# Altium PCB Macropad PRO.PcbDoc
Units mm, origin at the board's own origin, x right, y up, seen from the top; angles counter-clockwise.
Board outline 99 x 99 mm, 2 copper layers (Top Layer, Bottom Layer); 51 components, 39 nets, 400 pads, 40 vias.
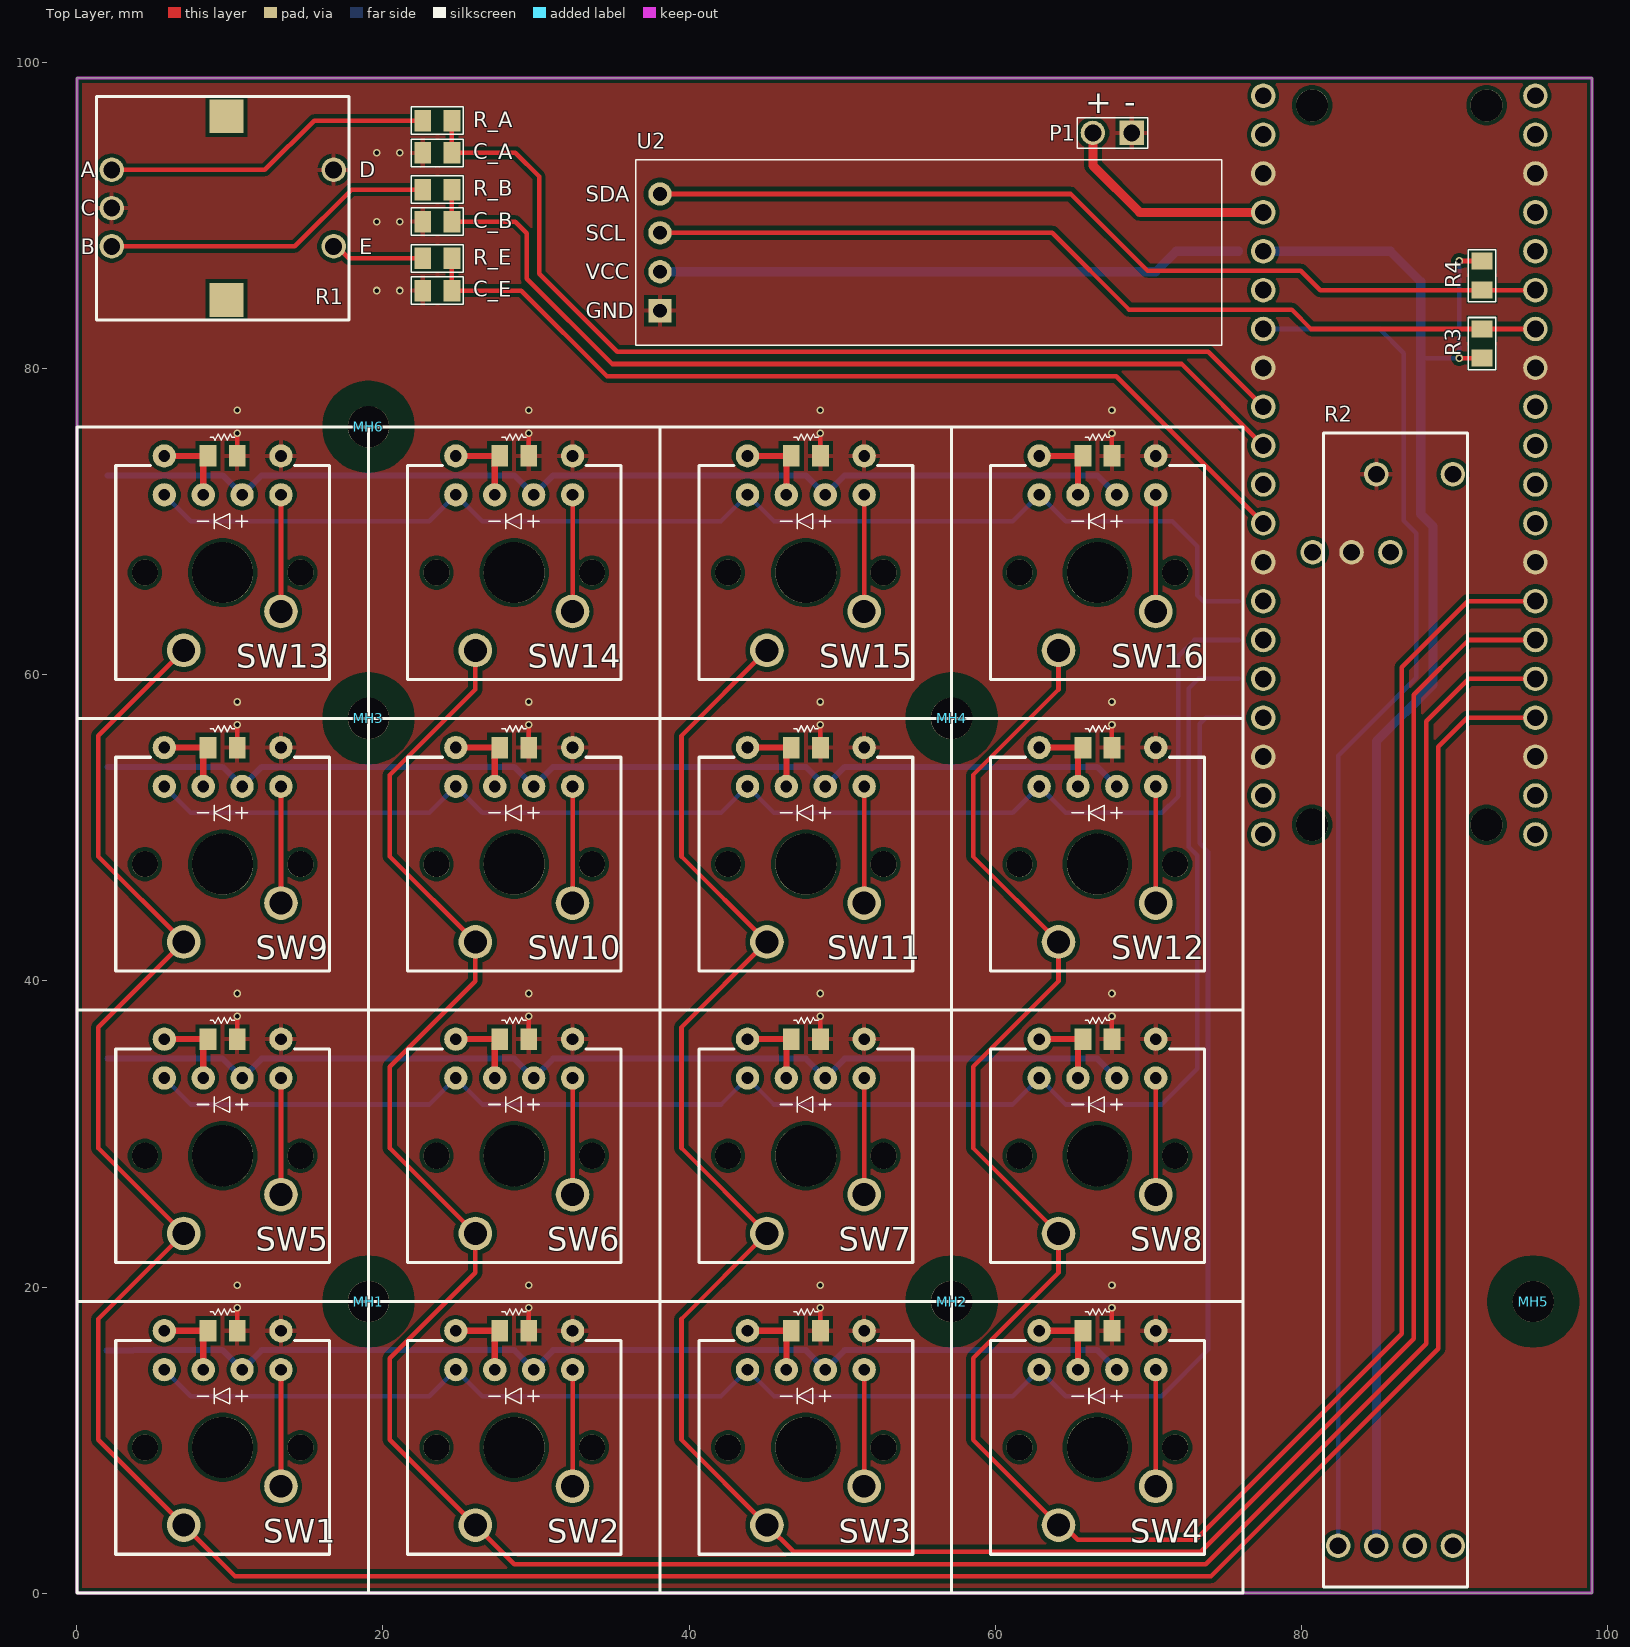
[diagram p0: Top Layer view]
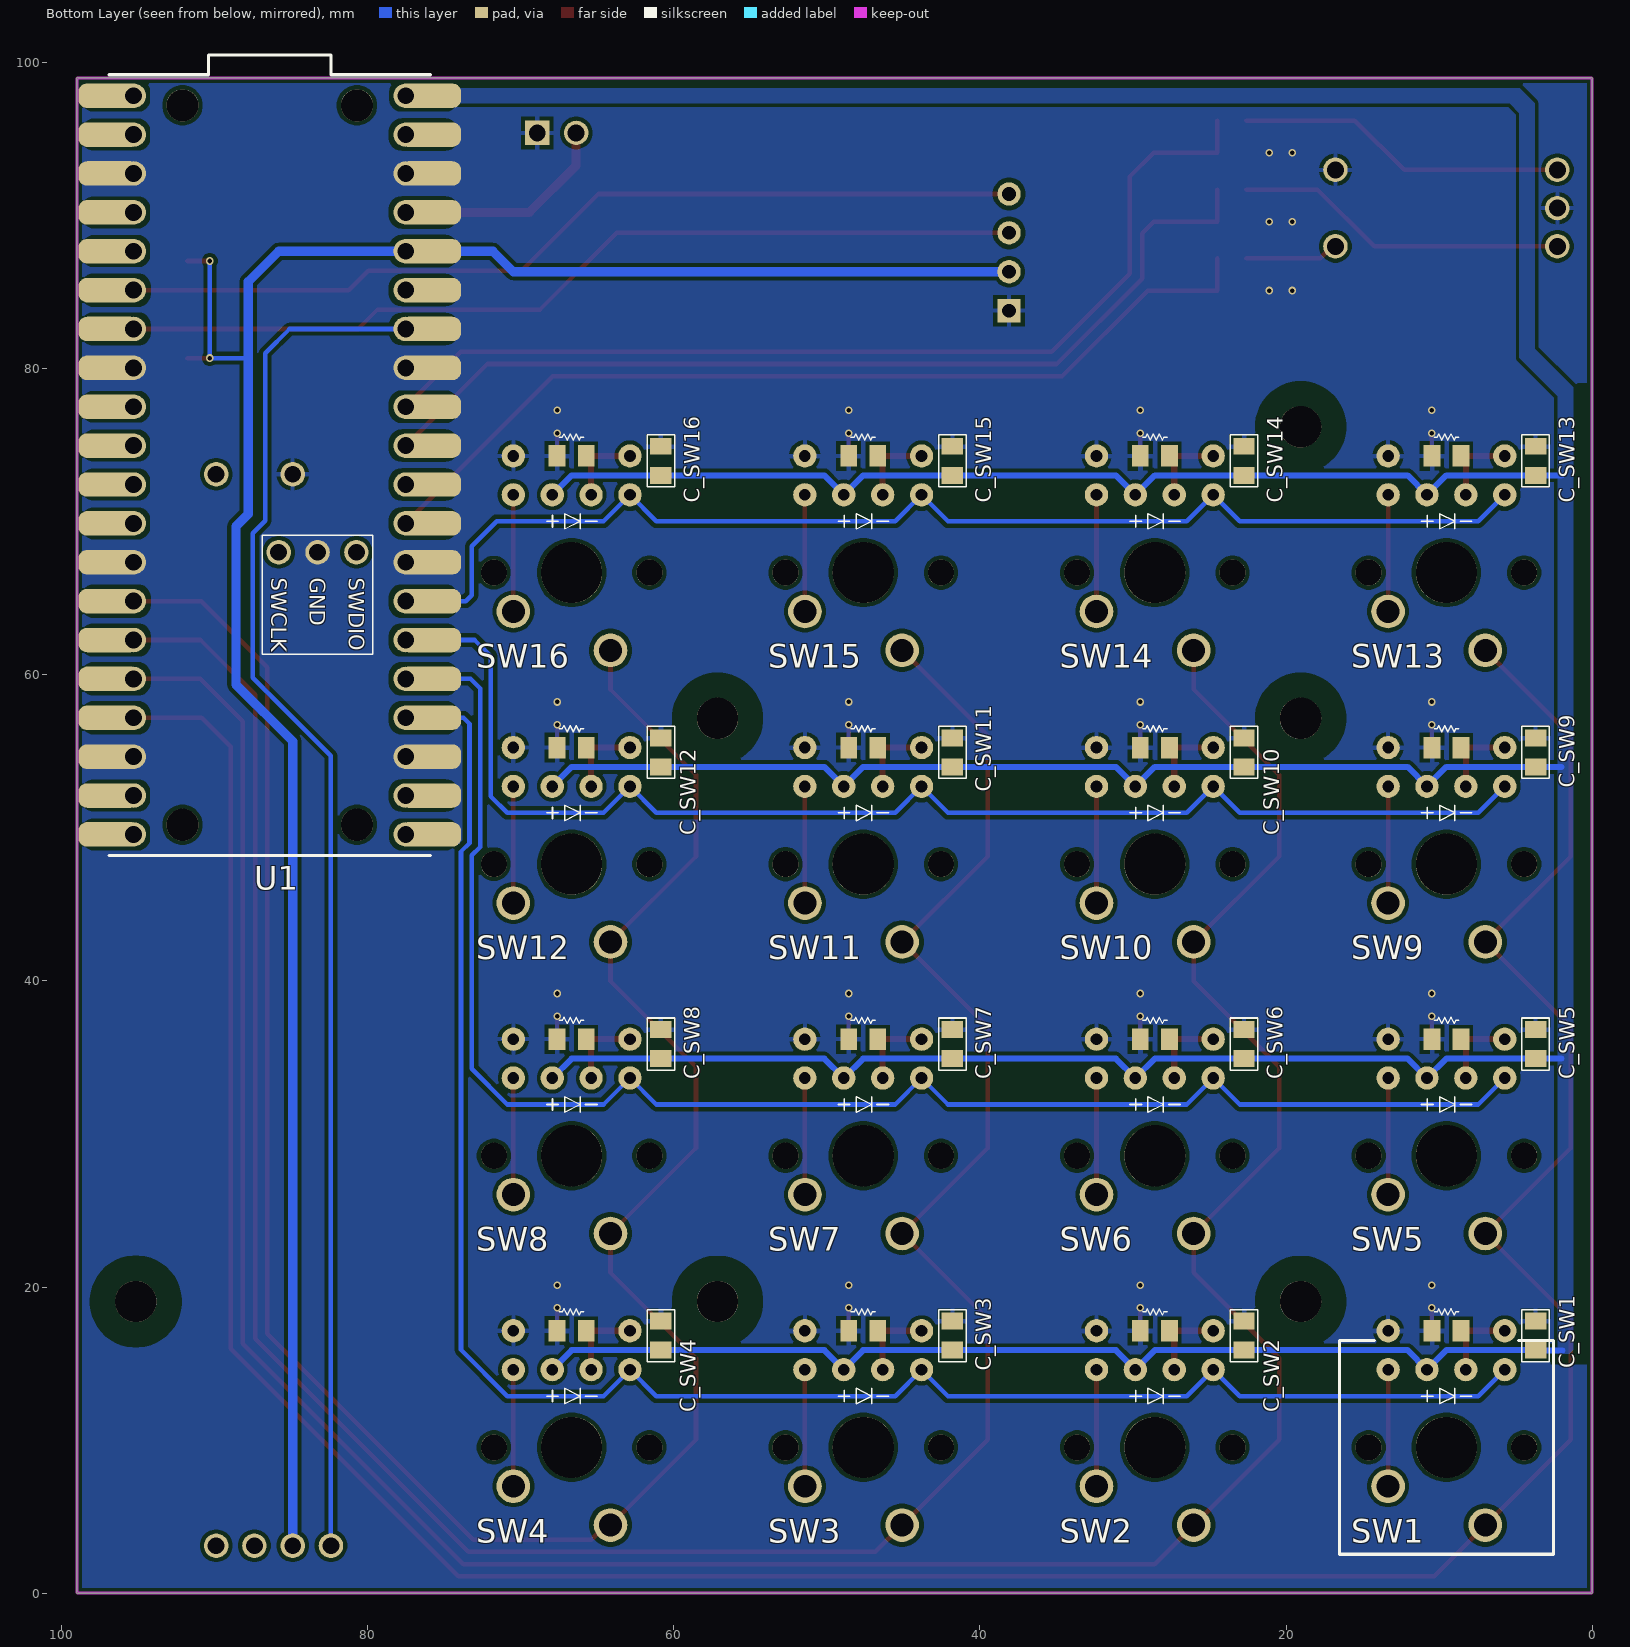
[diagram p1: Bottom Layer view, seen from below]
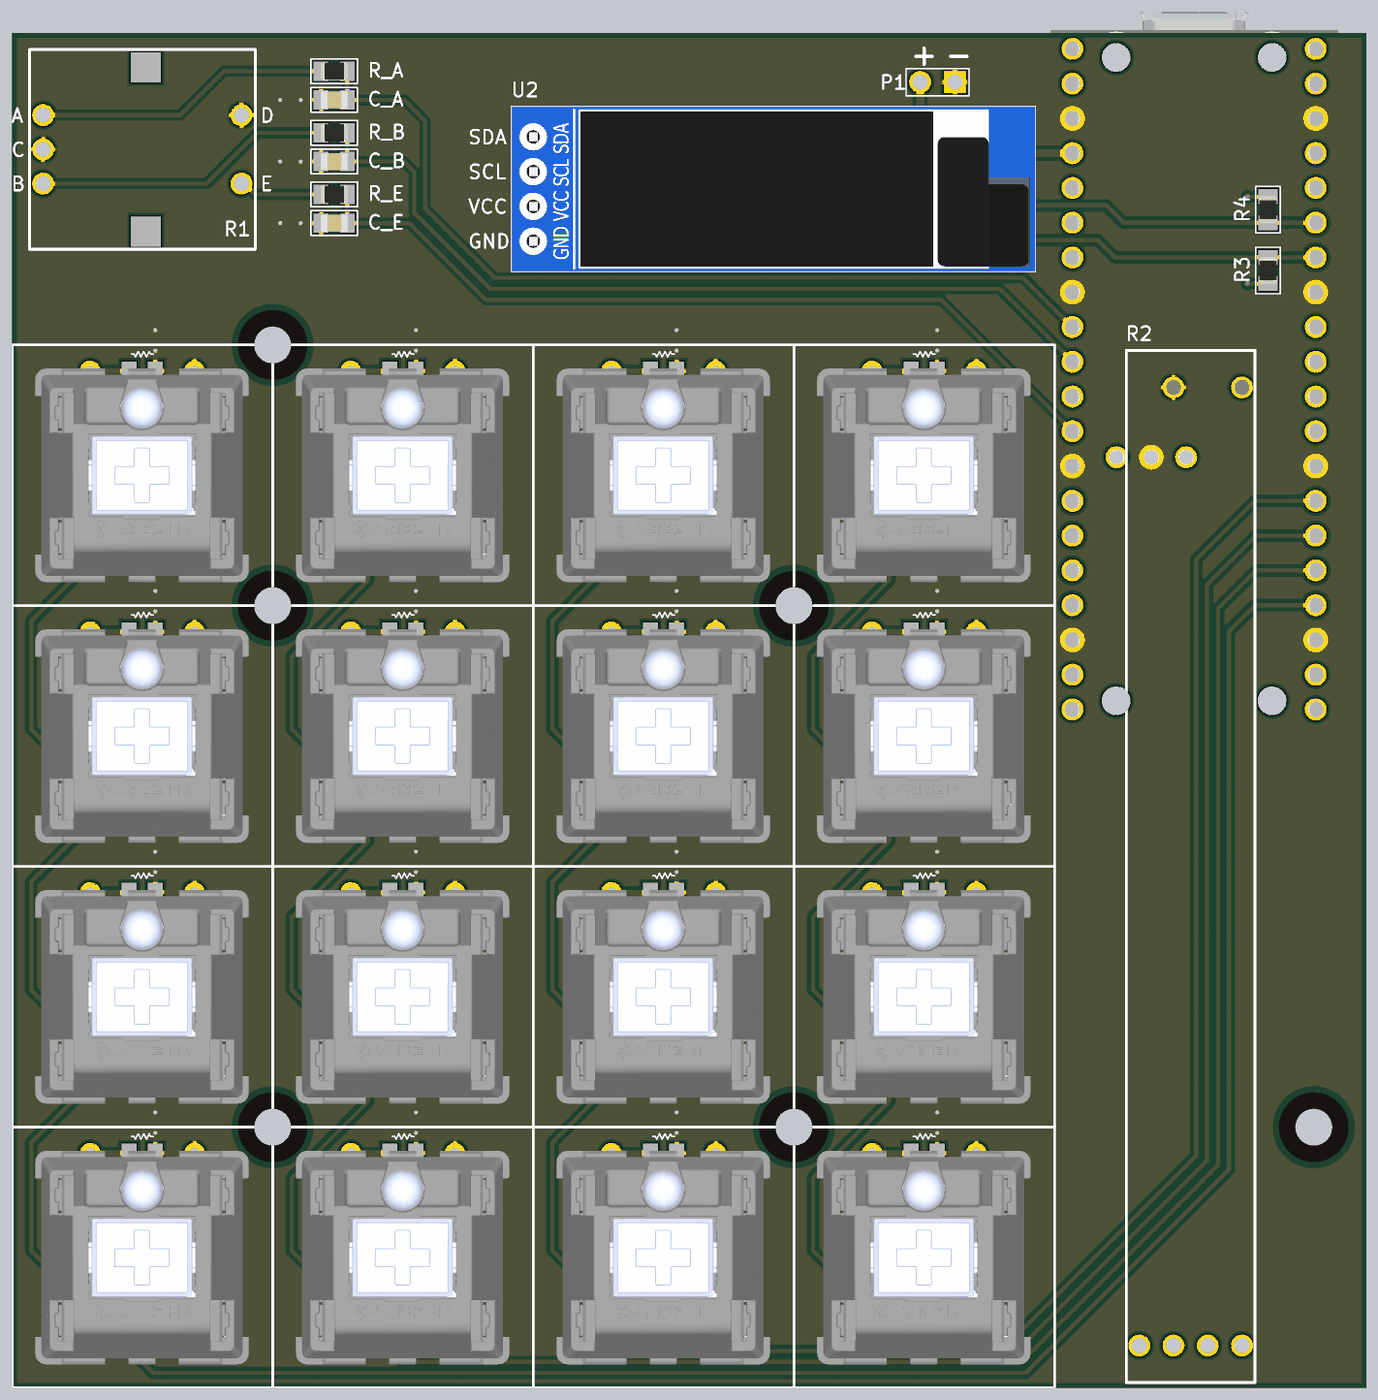
[diagram p2: 3D render of the assembled board from above, using the file's embedded part models]
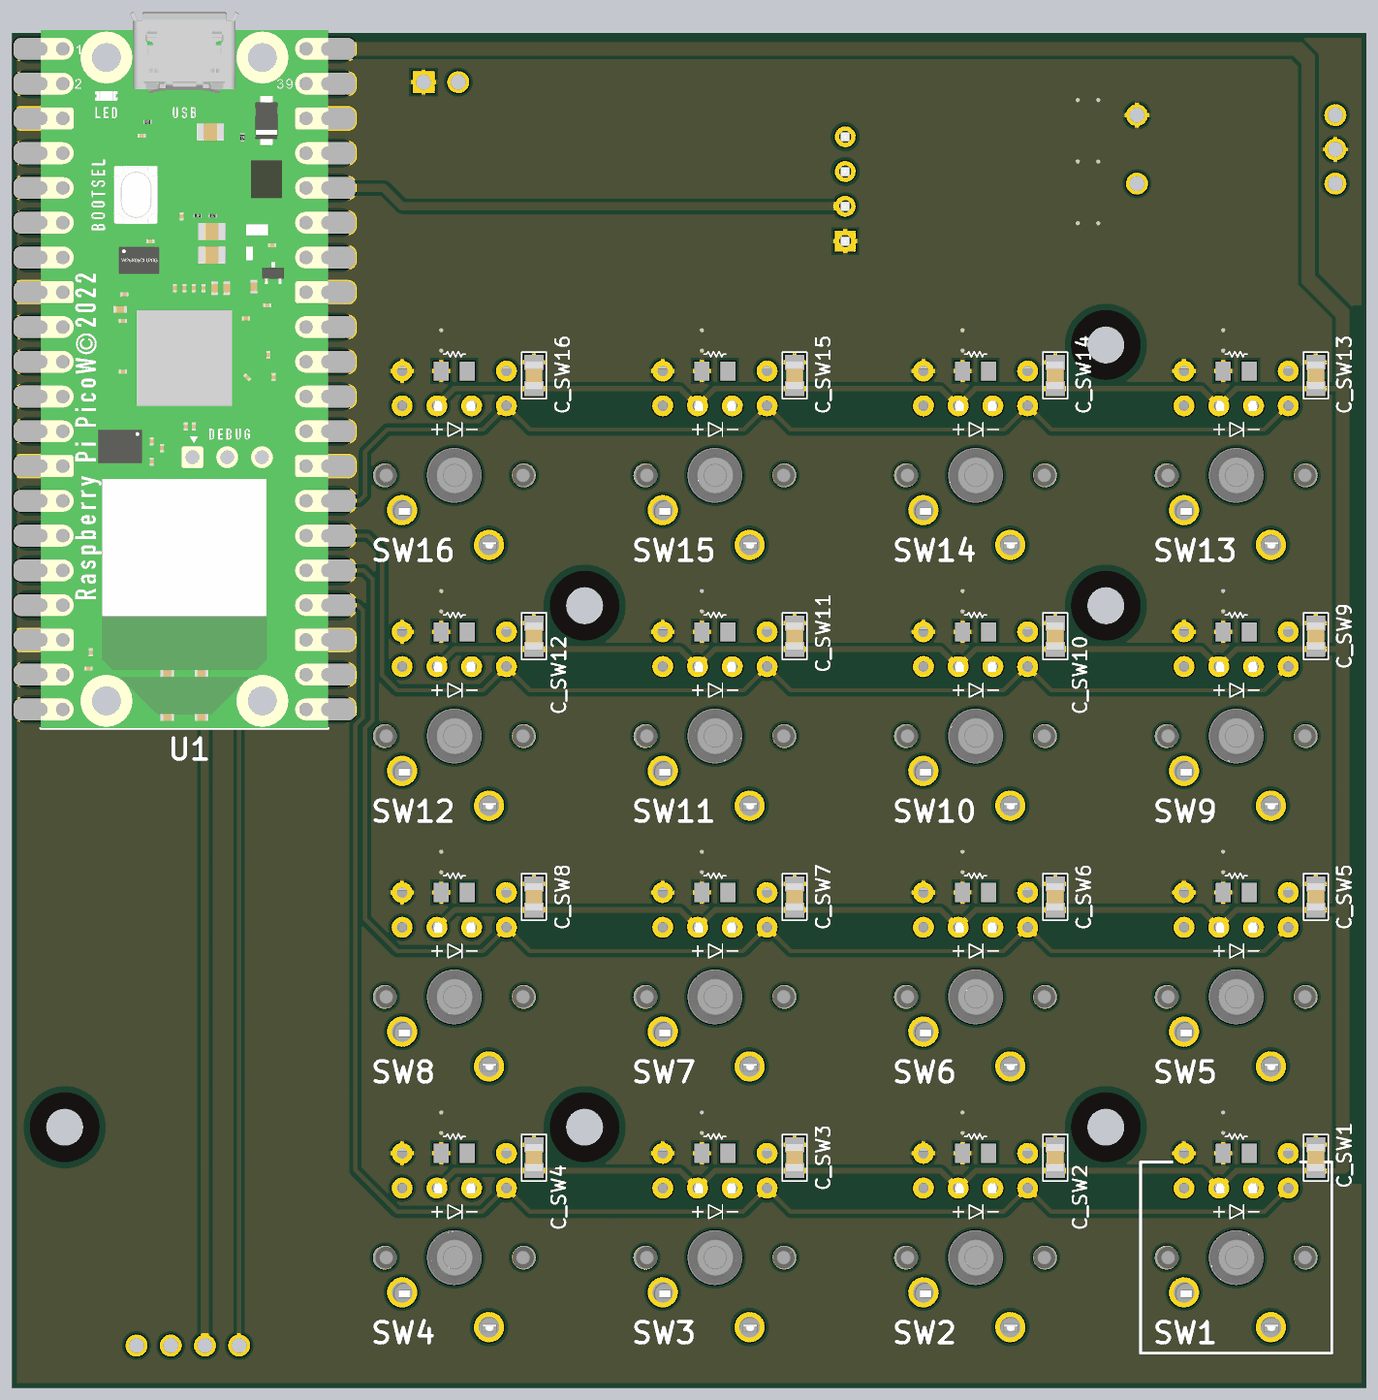
[diagram p3: 3D render of the assembled board from below, using the file's embedded part models]

## Layer stack, top to bottom
Top Solder: solder mask 0.0102, Solder Resist, Dk 3.5
Top Layer: signal copper 0.0356
Dielectric 1: dielectric 0.32, FR-4, Dk 4.8
Bottom Layer: signal copper 0.0356
Bottom Solder: solder mask 0.0102, Solder Resist, Dk 3.5

## Board outline
0,0 0,99 99,99 99,0

## Design rules (kind name [scope] priority, off if disabled: settings)
Clearance Clearance_Poly_VBUS [InNet('VBUS') or InNet('3V3')] p1: gap=0.254 ignorepadtopadclearanceinfootprint=FALSE except(0.4: Arc-Arc Arc-Track Track-Track)
Clearance Clearance_Rows_Colmns [InNetClass('Columns') or InNetClass('Rows') or InNetClass('I2C')] p2: gap=0.3 ignorepadtopadclearanceinfootprint=FALSE
Clearance [All] p3: gap=0.254 ignorepadtopadclearanceinfootprint=FALSE except(0: Arc-Hole Track-Hole SMDPad-Hole THPad-Hole Via-Hole Fill-Hole Poly-Hole Region-Hole Text-Hole)
PolygonConnect PolygonConnect_RP [InComponent('U1')] p1: connectstyle=Direct reliefconductorwidth=0.254 reliefentries=4 polygonreliefangle="90 Angle" airgapwidth=0.254
PolygonConnect [All] p2: thpad.connectstyle=Relief thpad.reliefconductorwidth=0.3 thpad.reliefentries=4 thpad.polygonreliefangle="90 Angle" thpad.airgapwidth=0.254 smdpad.connectstyle=Relief smdpad.reliefconductorwidth=0.3 smdpad.reliefentries=4 smdpad.polygonreliefangle="90 Angle" smdpad.airgapwidth=0.254 via.connectstyle=Direct via.reliefconductorwidth=0.3 via.reliefentries=4 via.polygonreliefangle="90 Angle" via.airgapwidth=0.254
RoutingVias [All] p1: holewidth=0.711 width=1.27 viastyle="Through Hole" minholewidth=0.711 minwidth=1.27 maxholewidth=0.711 maxwidth=1.27
SolderMaskExpansion [All] p1: expansion=0.102 istentingtop=FALSE
Width [All] p1: maxlimit=5 minlimit=0.2 preferedwidth=0.3
30 further rules are at their usual default settings.

## Classes and differential pairs
net class Rows: ROW_1 ROW_2 ROW_3 ROW_4
net class I2C: I2C0_SCL I2C0_SDA
net class Columns: COLUMN_1 COLUMN_2 COLUMN_3 COLUMN_4

## Components (designator, comment, footprint, x,y, rotation, side; value= is the part's Value field where it differs from the comment)
C_A "CAP CER" "CAP 0805" 23.55,94.1 r0 top
C_B "CAP CER" "CAP 0805" 23.55,89.6 r180 top
C_E "CAP CER" "CAP 0805" 23.55,85.1 r180 top
C_SW1 "CAP CER" "CAP 0805" 3.7,16.825 r90 bottom
C_SW2 "CAP CER" "CAP 0805" 22.75,16.825 r90 bottom
C_SW3 "CAP CER" "CAP 0805" 41.8,16.825 r90 bottom
C_SW4 "CAP CER" "CAP 0805" 60.85,16.825 r90 bottom
C_SW5 "CAP CER" "CAP 0805" 3.7,35.875 r90 bottom
C_SW6 "CAP CER" "CAP 0805" 22.75,35.875 r90 bottom
C_SW7 "CAP CER" "CAP 0805" 41.8,35.875 r90 bottom
C_SW8 "CAP CER" "CAP 0805" 60.85,35.875 r90 bottom
C_SW9 "CAP CER" "CAP 0805" 3.7,54.925 r90 bottom
C_SW10 "CAP CER" "CAP 0805" 22.75,54.925 r90 bottom
C_SW11 "CAP CER" "CAP 0805" 41.8,54.925 r90 bottom
C_SW12 "CAP CER" "CAP 0805" 60.85,54.925 r90 bottom
C_SW13 "CAP CER" "CAP 0805" 3.7,73.975 r90 bottom
C_SW14 "CAP CER" "CAP 0805" 22.75,73.975 r90 bottom
C_SW15 "CAP CER" "CAP 0805" 41.8,73.975 r90 bottom
C_SW16 "CAP CER" "CAP 0805" 60.85,73.975 r90 bottom
MH1 "MOUNTING HOLE" "MH 2.7MM" 19.049,19.05 r0 top
MH2 "MOUNTING HOLE" "MH 2.7MM" 57.149,19.05 r0 top
MH3 "MOUNTING HOLE" "MH 2.7MM" 19.049,57.15 r0 top
MH4 "MOUNTING HOLE" "MH 2.7MM" 57.149,57.15 r0 top
MH5 "MOUNTING HOLE" "MH 2.7MM" 95.15,19.05 r0 top
MH6 "MOUNTING HOLE" "MH 2.7MM" 19.049,76.2 r0 top
P1 "2X1 2.54MM HEADER" "HDR 2 PIN 2.54MM" 67.65,95.4 r180 top
R1 "Rotary Encoder" "POT - ROTARY ENCODER" 9.524,90.488 r270 top
R2 "75mm Slide Pot" "POT - SLIDER 75MM" 86.15,38.099 r90 top
R3 "RES CHIP" "RES 0805" 91.8,81.64 r90 top
R4 "RES CHIP" "RES 0805" 91.8,86.08 r270 top
R_A "RES CHIP" "RES 0805" 23.55,96.2 r0 top
R_B "RES CHIP" "RES 0805" 23.55,91.7 r0 top
R_E "RES CHIP" "RES 0805" 23.55,87.2 r180 top
SW1 "Cherry MX Brown" "SW - CHERRY MX 1U" 9.524,9.525 r180 top
SW2 "Cherry MX Brown" "SW - CHERRY MX 1U" 28.574,9.525 r180 top
SW3 "Cherry MX Brown" "SW - CHERRY MX 1U" 47.624,9.525 r180 top
SW4 "Cherry MX Brown" "SW - CHERRY MX 1U" 66.674,9.525 r180 top
SW5 "Cherry MX Brown" "SW - CHERRY MX 1U" 9.524,28.575 r180 top
SW6 "Cherry MX Brown" "SW - CHERRY MX 1U" 28.574,28.575 r180 top
SW7 "Cherry MX Brown" "SW - CHERRY MX 1U" 47.624,28.575 r180 top
SW8 "Cherry MX Brown" "SW - CHERRY MX 1U" 66.674,28.575 r180 top
SW9 "Cherry MX Brown" "SW - CHERRY MX 1U" 9.524,47.625 r180 top
SW10 "Cherry MX Brown" "SW - CHERRY MX 1U" 28.574,47.625 r180 top
SW11 "Cherry MX Brown" "SW - CHERRY MX 1U" 47.624,47.625 r180 top
SW12 "Cherry MX Brown" "SW - CHERRY MX 1U" 66.674,47.625 r180 top
SW13 "Cherry MX Brown" "SW - CHERRY MX 1U" 9.524,66.675 r180 top
SW14 "Cherry MX Brown" "SW - CHERRY MX 1U" 28.574,66.675 r180 top
SW15 "Cherry MX Brown" "SW - CHERRY MX 1U" 47.624,66.675 r180 top
SW16 "Cherry MX Brown" "SW - CHERRY MX 1U" 66.674,66.675 r180 top
U1 "Raspberry Pi Pico W" "MOD - RP PICO W" 86.4,73.7 r270 bottom
U2 "OLED SCREEN" "0.91 OLED" 38.099,87.6 r0 top

## Footprints (in the part's own frame and the unit in brackets; to place one, negate y for a bottom-side part, rotate by r counter-clockwise, add the part's x,y. Pads: shape width x height; smd on the part's side, far side on the other; paste and mask are expansions set on the pad)
"0.91 OLED" [mil]
  rect 60x60 hole 35: 1(0,-150)
  round 60 hole 35: 2(0,-50) 3(0,50) 4(0,150)
  silkscreen extent -63,-239 1445,238, body extent -63,-239 1445,238, height 296
"CAP 0805" [mm]
  rect 1.1x1.4 smd: 1(-0.95,0) 2(0.95,0)
  Top Layer pour cut-out: -0.2,0.9 0.2,0.9 0.2,-0.9 -0.2,-0.9
  silkscreen extent -1.7,-0.9 1.7,0.9, body extent -1,-0.62 1,0.63, height 0.6
"HDR 2 PIN 2.54MM" [mm]
  rect 1.6x1.6 hole 1.1: 1(-1.27,0)
  round 1.6 hole 1.1: 2(1.27,0)
  silkscreen extent -2.3,-1 2.3,1
"MH 2.7MM" [mm]
  round 2.7 hole 2.7 unplated mask+1.2: ""(0,0)
"MOD - RP PICO W" [mm]
  rrect70% 1.6x4 smd: 1(-24.13,-10.5) 2(-21.59,-10.5) 3(-19.05,-10.5) 4(-16.51,-10.5) 5(-13.97,-10.5) 6(-11.43,-10.5) 7(-8.89,-10.5) 8(-6.35,-10.5) 9(-3.81,-10.5) 10(-1.27,-10.5) 11(1.27,-10.5) 12(3.81,-10.5) 13(6.35,-10.5) 14(8.89,-10.5) 15(11.43,-10.5) 16(13.97,-10.5) 17(16.51,-10.5) 18(19.05,-10.5) 19(21.59,-10.5) 20(24.13,-10.5) 21(24.13,10.5) 22(21.59,10.5) 23(19.05,10.5) 24(16.51,10.5) 25(13.97,10.5) 26(11.43,10.5) 27(8.89,10.5) 28(6.35,10.5) 29(3.81,10.5) 30(1.27,10.5) 31(-1.27,10.5) 32(-3.81,10.5) 33(-6.35,10.5) 34(-8.89,10.5) 35(-11.43,10.5) 36(-13.97,10.5) 37(-16.51,10.5) 38(-19.05,10.5) 39(-21.59,10.5) 40(-24.13,10.5)
  round 1.6 hole 1.1: 1(-24.13,-8.89) 2(-21.59,-8.89) 3(-19.05,-8.89) 4(-16.51,-8.89) 5(-13.97,-8.89) 6(-11.43,-8.89) 7(-8.89,-8.89) 8(-6.35,-8.89) 9(-3.81,-8.89) 10(-1.27,-8.89) 11(1.27,-8.89) 12(3.81,-8.89) 13(6.35,-8.89) 14(8.89,-8.89) 15(11.43,-8.89) 16(13.97,-8.89) 17(16.51,-8.89) 18(19.05,-8.89) 19(21.59,-8.89) 20(24.13,-8.89) 21(24.13,8.89) 22(21.59,8.89) 23(19.05,8.89) 24(16.51,8.89) 25(13.97,8.89) 26(11.43,8.89) 27(8.89,8.89) 28(6.35,8.89) 29(3.81,8.89) 30(1.27,8.89) 31(-1.27,8.89) 32(-3.81,8.89) 33(-6.35,8.89) 34(-8.89,8.89) 35(-11.43,8.89) 36(-13.97,8.89) 37(-16.51,8.89) 38(-19.05,8.89) 39(-21.59,8.89) 40(-24.13,8.89) 41(5.7,0.584) 42(5.7,3.124) 43(5.7,5.664)
  round 2.1 hole 2.1 unplated: ""(-23.5,-5.7) ""(-23.5,5.7) ""(23.5,-5.7) ""(23.5,5.7)
  silkscreen extent -26.8,-10.5 25.5,10.5, body extent -26.84,-10.5 25.5,10.5, height 3.69
"POT - ROTARY ENCODER" [mm]
  round 1.6 hole 1.1: A(-2.5,-7.25) B(2.5,-7.25) C(0,-7.25) D(-2.5,7.25) E(2.5,7.25)
  rect 2.2x2.2 smd: ""(-6,0.25) ""(6,0.25)
  silkscreen extent -7.3,-8.25 7.3,8.25, body extent -6.75,-7.32 6.75,7.33, height 21.8
"POT - SLIDER 75MM" [mm]
  round 1.6 hole 1.1: 1(-35,1.25) 1'(-35,-3.75) 2(-35,3.75) 2'(-35,-1.25) 3(35,1.25) 3'(35,-3.75)
  silkscreen extent -37.7,-4.7 37.7,4.7, body extent -37.5,-4.5 37.5,4.5, height 22
"RES 0805" [mm]
  rect 1.1x1.4 smd: 1(-0.95,0) 2(0.95,0)
  Top Layer pour cut-out: -0.2,0.9 0.2,0.9 0.2,-0.9 -0.2,-0.9
  silkscreen extent -1.7,-0.9 1.7,0.9, body extent -1,-0.63 1,0.63, height 0.45
"SW - CHERRY MX 1U" [mil]
  round 86.61 hole 59.06: 1(100,200)
  round 86.61 hole 59: 2(-150,100)
  round 60 hole 30: 3(-150,-200) 4(150,-200) A(-50,-200) K(-150,-300) ""(50,-200) ""(150,-300)
  rect 43.31x55.12 smd: K(-37.4,-300) ""(37.4,-300)
  rect 43.31x55.12 smd far side: K(-37.4,-300) ""(37.4,-300)
  round 67 hole 67: ""(-200,0) ""(200,0)
  round 157 hole 157 unplated: ""(0,0)
  silkscreen extent -375,-375 375,375, body extent -306,-307 308,307, height 610

## Part data
C_A C_B C_E C_SW1 C_SW2 C_SW3 C_SW4 C_SW5 C_SW6 C_SW7 C_SW8 C_SW9 C_SW10 C_SW11 C_SW12 C_SW13 C_SW14 C_SW15 C_SW16: Capacitance=100nF, Package=0805, Mount=SMD
MH1 MH2 MH3 MH4 MH5 MH6: library part MH
P1: library part "HDR - 2X1 2.54"
R1: library part "POT - Rotary Encoder", Link=https://ozdisan.com/elektromekanik-komponentler/enkoder-urunleri/enkoderler/L-KLS4-EC1204-2C8A-15T/517994
R2: library part "POT - Slide Potentiometer Stereo"
R3 R4: Package=0805, Resistance=4.7K, Mount=SMD
R_A R_B R_E: Package=0805, Resistance=27K, Mount=SMD
SW1 SW2 SW3 SW4 SW5 SW6 SW7 SW8 SW9 SW10 SW11 SW12 SW13 SW14 SW15 SW16: "MECHANICAL SWITCH CHERRY MX BROWN"
U1: library part "MOD - RP PICO W", Link=https://www.raspberrypi.com/documentation/microcontrollers/raspberry-pi-pico.html
U2: library part "0.91 OLED", "0.91 OLED SCREEN I2C"

## Via types
v1: diameter 0.5, hole 0.3, Top Layer to Bottom Layer, tented both sides, 40 vias

## Nets (pads, with @x,y where several pads share a name; then routed paths per layer and width w, separated by ;. In a path a pad name is that pad's centre, name@x,y a point inside that pad or via, vN(x,y) a via of type N, cw(c..) or ccw(c..) an arc to the next point about the centre after c; other vN are vias at no path point)
3V3: R2.1 R3.1 R4.1 U1.36 U2.2 | length 145.8
  Top Layer w0.3: v1(90.31,80.69) R3.1 ; v1(90.31,87.03) R4.1
  Bottom Layer w0.3: 87.8,80.7 87.81,80.69 v1(90.31,80.69) v1(90.31,87.03)
  Bottom Layer w0.6: U2.2 70.48,86.33 71.82,87.67 U1.36@75.9,87.67 ; U1.36@77.51,87.67 85.815,87.67 87.8,85.685 87.8,80.7 87.8,70.5 88.6,69.7 88.6,59.35 84.9,55.65 R2.1
3V3_ENABLE: P1.2 U1.37 | length 14.5
  Top Layer w0.6: P1.2 66.38,93.27 69.44,90.21 U1.37@77.51,90.21
COLUMN_1: SW1.1 SW5.1 SW9.1 SW13.1 U1.17 | length 207
  Top Layer w0.3: SW13.1 1.4,56.011 1.4,48.13 SW9.1 1.4,36.961 1.4,29.079 SW5.1 1.4,17.911 1.4,10.029 SW1.1 10.329,1.1 74.094,1.1 88.95,15.956 88.95,55.3 90.84,57.19 U1.17@95.29,57.19
COLUMN_2: SW2.1 SW6.1 SW10.1 SW14.1 U1.16 | length 189.1
  Top Layer w0.3: SW14.1 26.034,59.034 20.45,53.45 20.45,48.129 SW10.1 26.034,39.984 20.45,34.4 20.45,29.079 SW6.1 26.034,20.934 20.45,15.35 20.45,10.029 SW2.1 28.579,1.9 73.763,1.9 88.15,16.287 88.15,56.95 90.93,59.73 U1.16@95.29,59.73
COLUMN_3: SW3.1 SW7.1 SW11.1 SW15.1 U1.15 | length 171.3
  Top Layer w0.3: SW15.1 39.5,56.011 39.5,48.13 SW11.1 39.5,36.961 39.5,29.079 SW7.1 39.5,17.911 39.5,10.029 SW3.1 46.829,2.7 73.431,2.7 87.35,16.619 87.35,58.7 90.92,62.27 U1.15@95.29,62.27
COLUMN_4: SW4.1 SW8.1 SW12.1 SW16.1 U1.14 | length 153.5
  Top Layer w0.3: SW16.1 64.134,59.034 58.55,53.45 58.55,48.129 SW12.1 64.134,39.984 58.55,34.4 58.55,29.079 SW8.1 64.134,20.934 58.55,15.35 58.55,10.029 SW4.1 64.436,4.445 65.381,3.5 73.1,3.5 86.55,16.95 86.55,60.5 90.86,64.81 U1.14@95.29,64.81
GND: C_A.1 C_B.2 C_E.2 C_SW1.2 C_SW2.2 C_SW3.2 C_SW4.2 C_SW5.2 C_SW6.2 C_SW7.2 C_SW8.2 C_SW9.2 C_SW10.2 C_SW11.2 C_SW12.2 C_SW13.2 C_SW14.2 C_SW15.2 C_SW16.2 P1.1 R1.C R1.D R2.3 SW1.K SW2.K SW3.K SW4.K SW5.K SW6.K SW7.K SW8.K SW9.K SW10.K SW11.K SW12.K SW13.K SW14.K SW15.K SW16.K U1.3 U1.8 U1.13 U1.18 U1.23 U1.28 U1.33 U1.38 U1.42 U2.1 | length 23.8
  Top Layer w0.3: SW1.K@10.474,17.145 v1(10.474,18.635) ; SW5.K@10.474,36.195 v1(10.474,37.685) ; SW9.K@10.474,55.245 v1(10.474,56.735) ; SW13.K@10.474,74.295 v1(10.474,75.785) ; SW2.K@29.524,17.145 v1(29.524,18.635) ; SW6.K@29.524,36.195 v1(29.524,37.685) ; SW10.K@29.524,55.245 v1(29.524,56.735) ; SW14.K@29.524,74.295 v1(29.524,75.785) ; SW3.K@48.574,17.145 v1(48.574,18.635) ; SW7.K@48.574,36.195 v1(48.574,37.685) ; SW11.K@48.574,55.245 v1(48.574,56.735) ; SW15.K@48.574,74.295 v1(48.574,75.785) ; SW4.K@67.624,17.145 v1(67.624,18.635) ; SW8.K@67.624,36.195 v1(67.624,37.685) ; SW12.K@67.624,55.245 v1(67.624,56.735) ; SW16.K@67.624,74.295 v1(67.624,75.785)
  other v1: 10.474,20.125 29.524,20.125 48.574,20.125 67.624,20.125 10.474,39.175 29.524,39.175 48.574,39.175 67.624,39.175 10.474,58.225 29.524,58.225 48.574,58.225 67.624,58.225 10.474,77.275 29.524,77.275 48.574,77.275 67.624,77.275 19.6,85.1 21.1,85.1 19.6,89.6 21.1,89.6 19.6,94.1 21.1,94.1
I2C0_SCL: R3.2 U1.7 U2.3 | length 59.8
  Top Layer w0.3: U2.3 63.73,88.87 68.74,83.86 79.36,83.86 80.63,82.59 R3.2 U1.7@95.29,82.59
I2C0_SDA: R4.2 U1.6 U2.4 | length 59.8
  Top Layer w0.3: U2.4 64.94,91.41 69.95,86.4 79.965,86.4 81.235,85.13 R4.2 U1.6@95.29,85.13
NetR1_A: R1.A R_A.1 | length 21.7
  Top Layer w0.3: R1.A 12.288,92.988 15.5,96.2 R_A.1
NetR1_B: R1.B R_B.1 | length 21.9
  Top Layer w0.3: R1.B 14.238,87.988 17.95,91.7 R_B.1
NetR1_E: R1.E R_E.2 | length 6.2
  Top Layer w0.3: R1.E 16.967,87.988 17.755,87.2 R_E.2
NetSW1_2: SW1.2 SW1.3 | length 7.6
  Top Layer w0.3: SW1.2 SW1.3
NetSW2_2: SW2.2 SW2.3 | length 7.6
  Top Layer w0.3: SW2.2 SW2.3
NetSW3_2: SW3.2 SW3.3 | length 7.6
  Top Layer w0.3: SW3.2 SW3.3
NetSW4_2: SW4.2 SW4.3 | length 7.6
  Top Layer w0.3: SW4.2 SW4.3
NetSW5_2: SW5.2 SW5.3 | length 7.6
  Top Layer w0.3: SW5.2 SW5.3
NetSW6_2: SW6.2 SW6.3 | length 7.6
  Top Layer w0.3: SW6.2 SW6.3
NetSW7_2: SW7.2 SW7.3 | length 7.6
  Top Layer w0.3: SW7.2 SW7.3
NetSW8_2: SW8.2 SW8.3 | length 7.6
  Top Layer w0.3: SW8.2 SW8.3
NetSW9_2: SW9.2 SW9.3 | length 7.6
  Top Layer w0.3: SW9.2 SW9.3
NetSW10_2: SW10.2 SW10.3 | length 7.6
  Top Layer w0.3: SW10.2 SW10.3
NetSW11_2: SW11.2 SW11.3 | length 7.6
  Top Layer w0.3: SW11.2 SW11.3
NetSW12_2: SW12.2 SW12.3 | length 7.6
  Top Layer w0.3: SW12.2 SW12.3
NetSW13_2: SW13.2 SW13.3 | length 7.6
  Top Layer w0.3: SW13.2 SW13.3
NetSW14_2: SW14.2 SW14.3 | length 7.6
  Top Layer w0.3: SW14.2 SW14.3
NetSW15_2: SW15.2 SW15.3 | length 7.6
  Top Layer w0.3: SW15.2 SW15.3
NetSW16_2: SW16.2 SW16.3 | length 7.6
  Top Layer w0.3: SW16.2 SW16.3
POT_SLIDER: R2.2 U1.34 | length 90.2
  Bottom Layer w0.3: U1.34@77.51,82.59 85.11,82.59 86.7,81 86.7,70.05 87.5,69.25 87.5,59.8 82.4,54.7 R2.2
ROT_A: C_A.2 R_A.2 U1.32 | length 65.7
  Top Layer w0.3: R_A.2 C_A.2 28.65,94.1 30.2,92.55 30.2,86.2 35.3,81.1 73.92,81.1 U1.32@77.51,77.51
ROT_B: C_B.1 R_B.2 U1.31 | length 62.9
  Top Layer w0.3: R_B.2 C_B.1 28.65,89.6 29.4,88.85 29.4,85.869 34.969,80.3 72.18,80.3 U1.31@77.51,74.97
ROT_E: C_E.1 R_E.1 U1.29 | length 61.4
  Top Layer w0.3: R_E.1 C_E.1 29.037,85.1 34.637,79.5 67.9,79.5 U1.29@77.51,69.89
ROW_1: SW1.4 SW2.4 SW3.4 SW4.4 U1.24 | length 118.3
  Bottom Layer w0.3: SW1.4 7.444,12.875 23.034,12.875 SW2.4 26.494,12.875 42.084,12.875 SW3.4 45.544,12.875 61.134,12.875 SW4.4 64.594,12.875 70.875,12.875 73.9,15.9 73.9,48.45 73.35,49 73.35,56.8 73.74,57.19 U1.24@75.9,57.19
ROW_2: SW5.4 SW6.4 SW7.4 SW8.4 U1.25 | length 102.1
  Bottom Layer w0.3: SW5.4 7.444,31.925 23.034,31.925 SW6.4 26.494,31.925 42.084,31.925 SW7.4 45.544,31.925 61.134,31.925 SW8.4 64.594,31.925 70.875,31.925 73.2,34.25 73.2,48.2 72.65,48.75 72.65,59.1 73.28,59.73 U1.25@75.9,59.73
ROW_3: SW9.4 SW10.4 SW11.4 SW12.4 U1.26 | length 85.2
  Bottom Layer w0.3: SW9.4 7.444,50.975 23.034,50.975 SW10.4 26.494,50.975 42.084,50.975 SW11.4 45.544,50.975 61.134,50.975 SW12.4 64.594,50.975 70.875,50.975 71.95,52.05 71.95,61.2 73.02,62.27 U1.26@75.9,62.27
ROW_4: SW13.4 SW14.4 SW15.4 SW16.4 U1.27 | length 79.2
  Bottom Layer w0.3: SW13.4 7.444,70.025 23.034,70.025 SW14.4 26.494,70.025 42.084,70.025 SW15.4 45.544,70.025 61.134,70.025 SW16.4 64.594,70.025 71.575,70.025 73.2,68.4 73.2,65.2 73.59,64.81 U1.27@75.9,64.81
SWCLK: U1.41
SWDIO: U1.43
VBUS: C_SW1.1 C_SW2.1 C_SW3.1 C_SW4.1 C_SW5.1 C_SW6.1 C_SW7.1 C_SW8.1 C_SW9.1 C_SW10.1 C_SW11.1 C_SW12.1 C_SW13.1 C_SW14.1 C_SW15.1 C_SW16.1 SW1.A SW2.A SW3.A SW4.A SW5.A SW6.A SW7.A SW8.A SW9.A SW10.A SW11.A SW12.A SW13.A SW14.A SW15.A SW16.A U1.40 | length 278.6
  Bottom Layer w0.4: 1.95,15.85 3.675,15.85 C_SW1.1 9.524,15.875 SW1.A 12.064,15.875 28.574,15.875 SW2.A 31.114,15.875 47.624,15.875 SW3.A 50.164,15.875 66.674,15.875 SW4.A ; 2,34.925 9.524,34.925 SW5.A 12.064,34.925 28.574,34.925 SW6.A 31.114,34.925 47.624,34.925 SW7.A 50.164,34.925 66.674,34.925 SW8.A ; 2,53.975 9.524,53.975 SW9.A 12.064,53.975 28.574,53.975 SW10.A 31.114,53.975 47.624,53.975 SW11.A 50.164,53.975 66.674,53.975 SW12.A ; 2,73.025 9.524,73.025 SW13.A 12.064,73.025 28.574,73.025 SW14.A 31.114,73.025 47.624,73.025 SW15.A 50.164,73.025 66.674,73.025 SW16.A
pads on no net: MH1. MH2. MH3. MH4. MH5. MH6. R1. R2.1' R2.2' R2.3' SW1. SW2. SW3. SW4. SW5. SW6. SW7. SW8. SW9. SW10. SW11. SW12. SW13. SW14. SW15. SW16. U1. U1.1 U1.2 U1.4 U1.5 U1.9 U1.10 U1.11 U1.12 U1.19 U1.20 U1.21 U1.22 U1.30 U1.35 U1.39
copper on no net: | length 83.5
  Top Layer w0.4: 5.714,17.145 8.574,17.145 8.254,16.825 8.254,14.605 ; 5.714,36.195 8.574,36.195 ; 5.714,55.245 8.574,55.245 ; 5.714,74.295 8.574,74.295 8.254,73.975 8.254,71.755 ; 8.254,33.655 8.254,35.875 ; 8.254,52.705 8.254,54.925 ; 24.764,17.145 27.624,17.145 27.304,16.825 27.304,14.605 ; 24.764,36.195 27.624,36.195 ; 24.764,55.245 27.624,55.245 ; 24.764,74.295 27.624,74.295 ; 27.304,33.655 27.304,35.875 ; 27.304,52.705 27.304,54.925 ; 27.304,71.755 27.304,73.975 ; 43.814,17.145 46.674,17.145 46.354,16.825 46.354,14.605 ; 43.814,36.195 46.674,36.195 ; 43.814,55.245 46.674,55.245 ; 43.814,74.295 46.674,74.295 ; 46.354,33.655 46.354,35.875 ; 46.354,52.705 46.354,54.925 ; 46.354,71.755 46.354,73.975 ; 62.864,17.145 65.724,17.145 65.404,16.825 65.404,14.605 ; 62.864,36.195 65.724,36.195 ; 62.864,55.245 65.724,55.245 ; 62.864,74.295 65.724,74.295 ; 65.404,33.655 65.404,35.875 ; 65.404,52.705 65.404,54.925 ; 65.404,71.755 65.404,73.975

## Polygon pours and split planes (outlines as drawn)
GND on Bottom Layer "GND_L02_P009" (solid, remove dead copper, pour order 9): -0.001,0 99,0 99,99 -0.001,99
VBUS on Bottom Layer "Bottom Layer-VBUS" (solid, remove dead copper, pour order 7): 1.5,15.65 1.25,15.9 1.25,78.8 3.75,81.3 3.75,97.35 4.73,98.33 75.9,98.33 75.9,97.33 5.38,97.33 4.75,96.7 4.75,80.7 2.25,78.2 2.25,15.65
GND on Top Layer "GND_L01_P008" (solid, remove dead copper, pour order 8): -0.001,0 -0.001,99 99,99 99,0

## Keep-outs
Keep-Out Layer:
  the board outline again, w0.2

## Other copper
Top Layer:
  pour cut-out: 22.049,76.2 ccw(c19.049,76.2) 19.049,79.2 ccw(c19.049,76.2) 16.049,76.2 ccw(c19.049,76.2) 19.049,73.2 ccw(c19.049,76.2)
  pour cut-out: 98.15,19.05 ccw(c95.15,19.05) 95.15,22.05 ccw(c95.15,19.05) 92.15,19.05 ccw(c95.15,19.05) 95.15,16.05 ccw(c95.15,19.05)
  pour cut-out: 60.149,57.15 ccw(c57.149,57.15) 57.149,60.15 ccw(c57.149,57.15) 54.149,57.15 ccw(c57.149,57.15) 57.149,54.15 ccw(c57.149,57.15)
  pour cut-out: 22.049,57.15 ccw(c19.049,57.15) 19.049,60.15 ccw(c19.049,57.15) 16.049,57.15 ccw(c19.049,57.15) 19.049,54.15 ccw(c19.049,57.15)
  pour cut-out: 22.049,19.05 ccw(c19.049,19.05) 19.049,22.05 ccw(c19.049,19.05) 16.049,19.05 ccw(c19.049,19.05) 19.049,16.05 ccw(c19.049,19.05)
  pour cut-out: 60.149,19.05 ccw(c57.149,19.05) 57.149,22.05 ccw(c57.149,19.05) 54.149,19.05 ccw(c57.149,19.05) 57.149,16.05 ccw(c57.149,19.05)
Bottom Layer:
  pour cut-out: 22.049,76.2 ccw(c19.049,76.2) 19.049,79.2 ccw(c19.049,76.2) 16.049,76.2 ccw(c19.049,76.2) 19.049,73.2 ccw(c19.049,76.2)
  pour cut-out: 98.15,19.05 ccw(c95.15,19.05) 95.15,22.05 ccw(c95.15,19.05) 92.15,19.05 ccw(c95.15,19.05) 95.15,16.05 ccw(c95.15,19.05)
  pour cut-out: 60.149,57.15 ccw(c57.149,57.15) 57.149,60.15 ccw(c57.149,57.15) 54.149,57.15 ccw(c57.149,57.15) 57.149,54.15 ccw(c57.149,57.15)
  pour cut-out: 22.049,57.15 ccw(c19.049,57.15) 19.049,60.15 ccw(c19.049,57.15) 16.049,57.15 ccw(c19.049,57.15) 19.049,54.15 ccw(c19.049,57.15)
  pour cut-out: 22.049,19.05 ccw(c19.049,19.05) 19.049,22.05 ccw(c19.049,19.05) 16.049,19.05 ccw(c19.049,19.05) 19.049,16.05 ccw(c19.049,19.05)
  pour cut-out: 60.149,19.05 ccw(c57.149,19.05) 57.149,22.05 ccw(c57.149,19.05) 54.149,19.05 ccw(c57.149,19.05) 57.149,16.05 ccw(c57.149,19.05)
  pour cut-out: 0.962,79.088 0,79.088 0,78.65 0.962,78.65
  pour cut-out: 2.746,14.925 0,14.925 0,15.25 2.746,15.25

## Silkscreen, mask and mechanical layers (free items; w line width, h text height)
Top Overlay:
  text "+" at 65.872,96.688 h1.52
  text "-" at 68.412,96.688 h1.52
Bottom Overlay:
  lines w0.2: 4.824,16.51 2.539,16.51 2.539,2.54 16.509,2.54 16.509,16.51 14.224,16.51
  text "SW13" at 15.746,60.454 h1.52
  text "SW14" at 34.796,60.454 h1.52
  text "SW15" at 53.846,60.454 h1.52
  text "SW16" at 72.896,60.454 h1.52
  text "SW9" at 15.746,41.404 h1.52
  text "SW10" at 34.796,41.404 h1.52
  text "SW11" at 53.846,41.404 h1.52
  text "SW12" at 72.896,41.404 h1.52
  text "SW5" at 15.746,22.354 h1.52
  text "SW6" at 34.796,22.354 h1.52
  text "SW7" at 53.846,22.354 h1.52
  text "SW8" at 72.896,22.354 h1.52
  text "SW1" at 15.746,3.304 h1.52
  text "SW2" at 34.796,3.304 h1.52
  text "SW3" at 53.846,3.304 h1.52
  text "SW4" at 72.896,3.304 h1.52
Mechanical 1:
  lines w0.2: 77.51,82.59 77.51,85.13 77.51,87.67

## Text inside footprints (layer, text, board x,y; h text height)
R1: Top Overlay "A" at 0.258,92.488 h1; Top Overlay "C" at 0.258,89.988 h1; Top Overlay "B" at 0.258,87.488 h1; Top Overlay "D" at 18.458,92.488 h1; Top Overlay "E" at 18.458,87.488 h1
U1: Bottom Overlay "GND" at 83.776,66.35 h1 r90; Bottom Overlay "SWDIO" at 81.236,66.35 h1 r90; Bottom Overlay "SWCLK" at 86.316,66.35 h1 r90
U2: Top Overlay "SDA" at 33.249,90.91 h1; Top Overlay "SCL" at 33.249,88.37 h1; Top Overlay "VCC" at 33.249,85.83 h1; Top Overlay "GND" at 33.249,83.29 h1